# KiCad board GPDI_ULX3S_panel.kicad_pcb (continued)
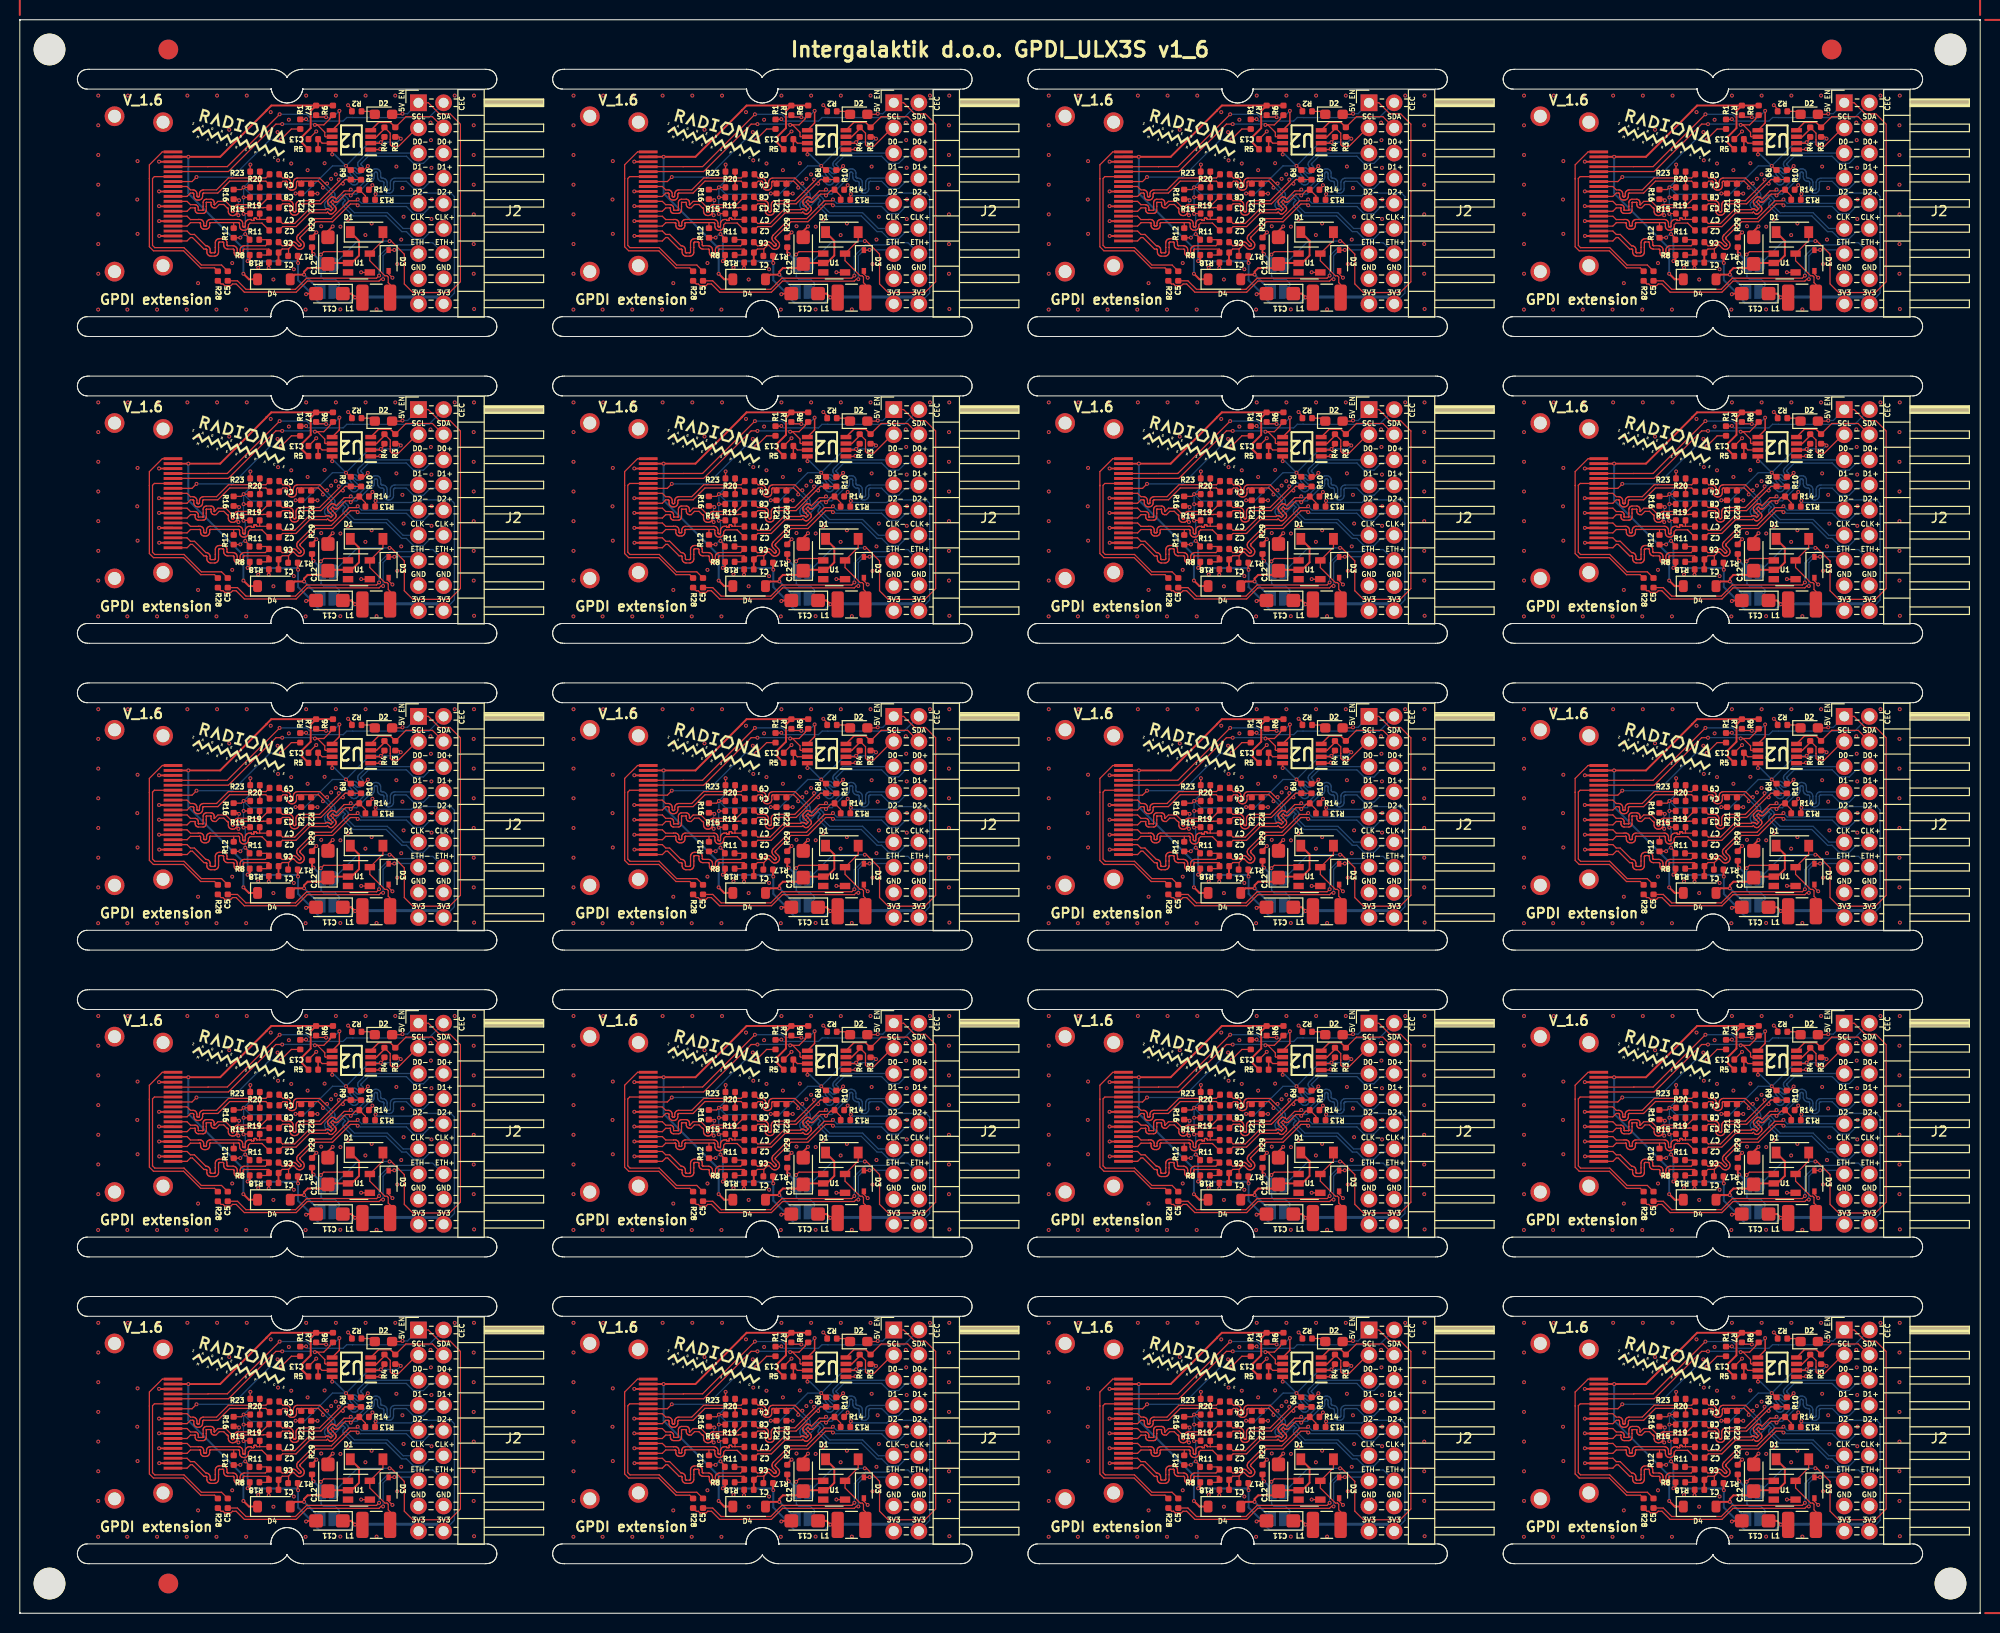
[diagram p0: board, top side]
## Routing (per net, layer and track width the routed paths; a pad name or vN(x,y) marks a point on that pad's centre or on a via; arc(x,y) is an arc through that point) (continued)
  Bottom w0.127: v1(71.29,146.37) 71.29,144.75 v1(70.6,144.07) ; v1(83.93,143.38) 84.08,143.23 87.57,143.23 87.83,143.5 91.54,143.5 91.89,143.14 91.89,133.38 J2#16.18 ; v1(70.27,138.99) 70.63,139.35 v1(70.77,139.35) 70.77,141.22 v1(70.59,141.39) 70.59,143.05 v1(70.6,143.06) v1(70.6,144.07) ; v1(86.47,148.99) 86.12,148.63 v1(84.47,148.63) 83.34,148.63 v1(80.94,146.24) 79.58,146.24 76.79,143.45 v1(75.85,143.45) 75.77,143.37 71.3,143.37 v1(70.6,144.07)
  Bottom w0.15: v1(79.55,147.4) 79.78,147.4 v1(80.94,146.24)
  Bottom w0.2: v1(81.86,132.95) 81.32,132.41 78.24,132.41 77.65,133 77.65,133.14 76.1,134.68 v1(76.1,136.43) 75.93,136.6 71.03,136.6 v1(71.01,136.62) 71.01,139.11 v1(70.77,139.35)
  Bottom w0.3: J2#16.18 90.11,132.99 81.9,132.99 v1(81.86,132.95)
Board_1-+5V: length 39.3
  Top w0.2: R6#4.1 R7#16.1 ; R7#16.1 77.38,151.79 77.38,150.06 76.53,149.2 76.53,148.55 R5#15.1 ; R7#16.1 73.4,152.34 72.92,151.85 72.92,151.83 68.24,147.15 v1(65.02,147.15) P1.18 ; D4#10.1 71.14,134.78 v1(70.58,135.34)
  Bottom w0.2: v1(65.02,147.15) 65.02,143.46 70.58,137.9 v1(70.58,135.34)
Board_1-/CEC: length 15.1
  Top w0.127: P1.13 65.39,144.65 v1(65.85,145.11) ; v1(74.37,148.91) 75.43,149.97 R1#20.1
  Bottom w0.127: v1(74.37,148.91) 73.28,148.91 69.47,145.11 v1(65.85,145.11)
Board_1-/CLK+: length 12.1
  Top w0.127: P1.10 64.89,143.15 65.24,143.5 65.45,143.5 65.48,143.49 65.51,143.48 65.53,143.47 65.55,143.45 65.56,143.43 65.57,143.4 65.57,143.38 65.57,143.19 65.58,143.1 65.61,143.02 65.66,142.94 65.73,142.87 65.8,142.82 65.89,142.79 65.98,142.78 66.05,142.78 66.14,142.79 66.23,142.82 66.31,142.87 66.37,142.94 66.42,143.02 66.45,143.1 66.46,143.19 66.46,143.38 66.47,143.4 66.48,143.43 66.49,143.45 66.51,143.47 66.53,143.48 66.55,143.49 66.58,143.5 68,143.5 69.2,144.7 72.85,144.7 C4#9.2
  Top w0.15: R20#8.2 72.24,144.66
Board_1-/CLK-: length 12.2
  Top w0.127: 72.26,145.02 72.85,145.02 C9#5.2 ; 72.26,145.02 72.24,145.03 R23#9.2 ; 72.26,145.02 69.07,145.02 67.87,143.81 66.56,143.81 66.46,143.8 66.38,143.77 66.3,143.72 66.23,143.66 66.19,143.58 66.16,143.49 66.14,143.4 66.14,143.22 66.14,143.19 66.13,143.17 66.12,143.15 66.1,143.13 66.08,143.11 66.05,143.1 66.03,143.1 66.01,143.1 65.98,143.1 65.96,143.11 65.93,143.13 65.92,143.15 65.9,143.17 65.89,143.19 65.89,143.22 65.89,143.4 65.88,143.49 65.85,143.58 65.8,143.66 65.74,143.72 65.66,143.77 65.57,143.8 65.48,143.81 65.24,143.81 64.89,144.15 P1.12
Board_1-/D0+: length 15.7
  Top w0.127: 69.86,141.38 69.95,141.38 v1(70.08,141.25) ; 69.86,141.38 69.79,141.31 69.71,141.26 69.62,141.23 69.53,141.22 69.48,141.22 69.38,141.23 69.3,141.26 69.22,141.31 69.15,141.38 69.1,141.46 69.07,141.55 69.06,141.64 69.06,141.88 69.05,141.91 69.04,141.93 69.03,141.96 69.01,141.98 68.99,141.99 68.96,142 68.93,142.01 68.6,142.34 68.14,142.34 67.8,142 67.65,142 67.58,142 67.5,142.03 67.44,142.07 67.39,142.12 67.35,142.19 67.32,142.26 67.31,142.33 67.31,142.51 67.31,142.52 67.31,142.53 67.3,142.54 67.3,142.54 67.29,142.55 67.28,142.55 67.27,142.55 66.87,142.55 66.86,142.55 66.85,142.55 66.85,142.54 66.84,142.54 66.84,142.53 66.83,142.52 66.83,142.51 66.83,142.15 66.83,141.78 66.82,141.7 66.8,141.63 66.76,141.57 66.7,141.51 66.64,141.47 66.57,141.45 66.49,141.44 66.05,141.44 65.97,141.45 65.9,141.47 65.84,141.51 65.79,141.57 65.75,141.63 65.72,141.7 65.71,141.78 65.71,141.96 65.71,141.97 65.71,141.97 65.7,141.98 65.7,141.99 65.69,141.99 65.68,141.99 65.67,142 65.24,142 64.89,141.65 P1.7 ; 69.86,141.38 69.91,141.46 69.94,141.55 69.95,141.64 69.95,141.88 69.95,141.91 69.96,141.93 69.98,141.96 70,141.98 70.02,141.99 70.05,142 70.08,142.01 70.15,142.01 70.18,142 70.2,141.99 70.23,141.98 70.25,141.96 70.26,141.93 70.27,141.91 70.28,141.88 70.28,141.87 70.28,141.84 70.29,141.82 70.3,141.79 70.32,141.77 70.35,141.76 70.37,141.75 70.4,141.75 70.43,141.75 70.46,141.76 70.48,141.77 70.5,141.79 70.52,141.82 70.53,141.84 70.53,141.87 70.53,141.88 70.53,141.91 70.54,141.93 70.56,141.96 70.58,141.98 70.6,141.99 70.63,142 70.66,142.01 72.57,142.01 72.59,142.03 C3#20.2 ; R16#3.2 70.03,142.88 v1(70.15,142.76)
  Bottom w0.127: v1(70.08,141.25) 70.08,142.7 v1(70.15,142.76)
Board_1-/D0-: length 14.1
  Top w0.127: 73.13,143.06 C8#6.2 72.39,142.33 70.05,142.33 69.96,142.31 69.87,142.28 69.79,142.23 69.72,142.17 69.67,142.09 69.64,142 69.63,141.91 69.63,141.67 69.63,141.64 69.62,141.61 69.6,141.59 69.58,141.57 69.56,141.55 69.53,141.54 69.5,141.54 69.48,141.54 69.45,141.55 69.42,141.57 69.4,141.59 69.39,141.61 69.38,141.64 69.38,141.67 69.38,141.91 69.37,142 69.33,142.09 69.28,142.17 68.8,142.65 68.01,142.65 67.67,142.31 67.66,142.32 67.65,142.32 67.65,142.32 67.64,142.33 67.64,142.34 67.63,142.34 67.63,142.35 67.63,142.53 67.62,142.61 67.6,142.68 67.56,142.74 67.51,142.8 67.44,142.84 67.37,142.86 67.29,142.87 66.85,142.87 66.78,142.86 66.7,142.84 66.64,142.8 66.59,142.74 66.55,142.68 66.52,142.61 66.51,142.53 66.51,142.15 66.51,142.15 66.51,141.8 66.51,141.79 66.51,141.78 66.5,141.77 66.5,141.77 66.49,141.76 66.48,141.76 66.47,141.76 66.07,141.76 66.06,141.76 66.05,141.76 66.05,141.77 66.04,141.77 66.03,141.78 66.03,141.79 66.03,141.8 66.03,141.98 66.02,142.05 66,142.12 65.96,142.19 65.9,142.24 65.84,142.28 65.77,142.31 65.69,142.31 65.24,142.31 64.89,142.65 P1.9
  Top w0.15: R19#10.2 72.22,142.34 72.2,142.33
Board_1-/D1+: length 12.6
  Top w0.127: P1.4 64.89,140.15 65.24,140.5 66.15,140.5 66.16,140.51 66.18,140.5 66.2,140.5 66.22,140.49 66.24,140.47 66.25,140.45 66.25,140.43 66.26,140.41 66.26,140.23 66.27,140.14 66.29,140.06 66.34,139.99 66.4,139.93 66.48,139.88 66.56,139.85 66.64,139.84 66.79,139.84 66.87,139.85 66.95,139.88 67.03,139.93 67.09,139.99 67.14,140.06 67.16,140.14 67.17,140.23 67.17,140.41 67.18,140.43 67.18,140.45 67.19,140.47 67.21,140.49 67.23,140.5 67.25,140.5 67.27,140.51 70.07,140.51 70.1,140.5 70.13,140.49 70.15,140.48 70.17,140.46 70.18,140.43 70.19,140.41 70.2,140.38 70.2,140.15 70.21,140.05 70.24,139.97 70.29,139.89 70.36,139.82 70.44,139.77 70.52,139.74 70.62,139.73 70.67,139.73 70.76,139.74 70.85,139.77 70.93,139.82 71,139.89 71.05,139.97 71.08,140.05 71.09,140.15 71.09,140.29 71.26,140.46 72.45,140.46 C2#9.2 ; R12#18.2 69.6,140.49
Board_1-/D1-: length 12.8
  Top w0.127: R15.2 72.23,140.83 ; 72.23,140.83 71.97,140.83 71.95,140.83 71.94,140.83 71.92,140.84 71.91,140.85 71.9,140.87 71.9,140.88 71.9,140.91 71.89,140.93 71.88,140.94 71.87,140.96 71.86,140.96 71.84,140.97 71.82,140.97 71.72,140.97 71.7,140.97 71.68,140.96 71.67,140.96 71.66,140.94 71.65,140.93 71.65,140.91 71.64,140.9 71.64,140.78 71.64,140.76 71.64,140.75 71.63,140.74 71.62,140.74 71.62,140.73 71.6,140.73 71.59,140.73 71.44,140.73 71.43,140.73 71.42,140.73 71.41,140.74 71.4,140.74 71.39,140.75 71.39,140.76 71.39,140.79 71.38,140.8 71.38,140.81 71.37,140.81 71.36,140.82 71.35,140.82 71.34,140.83 71.19,140.83 71.1,140.81 71.01,140.78 70.93,140.73 70.86,140.67 70.81,140.59 70.78,140.5 70.77,140.41 70.77,140.17 70.77,140.15 70.76,140.12 70.74,140.09 70.72,140.07 70.7,140.06 70.67,140.05 70.64,140.05 70.62,140.05 70.59,140.06 70.56,140.07 70.54,140.09 70.53,140.12 70.52,140.15 70.52,140.17 70.52,140.41 70.51,140.5 70.47,140.59 70.42,140.67 70.36,140.73 70.28,140.78 70.19,140.81 70.1,140.83 67.24,140.83 67.16,140.82 67.08,140.79 67,140.74 66.94,140.68 66.89,140.61 66.87,140.52 66.86,140.44 66.86,140.25 66.85,140.23 66.85,140.21 66.84,140.2 66.82,140.18 66.8,140.17 66.78,140.16 66.76,140.16 66.67,140.16 66.65,140.16 66.63,140.17 66.61,140.18 66.59,140.2 66.58,140.21 66.58,140.23 66.57,140.25 66.57,140.44 66.56,140.52 66.54,140.61 66.49,140.68 66.43,140.74 66.35,140.79 66.27,140.82 66.19,140.83 66.03,140.83 66.02,140.81 65.24,140.81 64.89,141.15 P1.6 ; 72.23,140.83 73.16,140.83 C7#19.2
Board_1-/D2+: length 15
  Top w0.127: P1.1 64.89,138.65 65.24,139 65.43,139 66.6,137.83 66.78,137.83 66.81,137.83 66.83,137.82 66.85,137.81 66.87,137.79 66.88,137.77 66.89,137.75 66.89,137.73 66.89,137.53 66.9,137.44 66.93,137.35 66.98,137.27 67.05,137.21 67.13,137.16 67.21,137.13 67.31,137.12 67.66,137.12 67.75,137.13 67.84,137.16 67.92,137.21 67.98,137.27 68.03,137.35 68.06,137.44 68.07,137.53 68.07,138 68.07,138 68.07,138.44 68.08,138.47 68.09,138.49 68.1,138.51 68.12,138.53 68.14,138.54 68.16,138.55 68.18,138.55 68.48,138.55 68.51,138.55 68.53,138.54 68.55,138.53 68.57,138.51 68.58,138.49 68.59,138.47 68.59,138.44 68.59,138.25 68.6,138.16 68.63,138.07 68.68,137.99 68.75,137.92 68.83,137.88 68.91,137.84 69.01,137.83 69.56,137.83 69.59,137.82 69.61,137.79 69.63,137.77 69.64,137.74 69.64,137.71 69.64,137.5 69.66,137.4 69.69,137.31 69.74,137.23 69.81,137.16 69.89,137.1 69.98,137.07 70.08,137.06 70.13,137.06 70.23,137.07 70.32,137.1 70.4,137.16 70.47,137.23 70.52,137.31 70.56,137.4 70.57,137.5 70.57,137.71 70.57,137.74 70.58,137.77 70.6,137.79 70.62,137.82 70.65,137.83 73.14,137.83 73.17,137.8 C1#6.2 72.92,137.23 R8#2.2
Board_1-/D2-: length 14.8
  Top w0.127: P1.3 64.89,139.65 65.24,139.31 65.64,139.31 66.78,138.17 66.81,138.17 66.9,138.16 66.99,138.13 67.07,138.08 67.13,138.01 67.18,137.93 67.21,137.84 67.22,137.75 67.22,137.56 67.23,137.54 67.23,137.51 67.25,137.49 67.26,137.48 67.28,137.46 67.31,137.45 67.33,137.45 67.63,137.45 67.66,137.45 67.68,137.46 67.7,137.48 67.72,137.49 67.73,137.51 67.74,137.54 67.74,137.56 67.74,138 67.74,138.47 67.75,138.56 67.78,138.65 67.83,138.73 67.9,138.79 67.98,138.84 68.06,138.87 68.16,138.88 68.51,138.88 68.6,138.87 68.69,138.84 68.77,138.79 68.83,138.73 68.88,138.65 68.91,138.56 68.92,138.47 68.92,138.27 68.93,138.25 68.94,138.23 68.95,138.21 68.97,138.19 68.99,138.18 69.01,138.17 69.03,138.17 69.53,138.17 69.63,138.16 69.72,138.12 69.8,138.07 69.87,138 69.92,137.92 69.95,137.83 69.96,137.73 69.96,137.52 69.97,137.49 69.98,137.46 69.99,137.43 70.02,137.41 70.04,137.39 70.07,137.38 70.11,137.38 70.14,137.38 70.17,137.39 70.19,137.41 70.22,137.43 70.23,137.46 70.24,137.49 70.25,137.52 70.25,137.73 70.26,137.83 70.29,137.92 70.34,138 70.41,138.07 70.49,138.12 70.59,138.16 70.68,138.17 72.8,138.17 C6#4.2 72.91,138.78 R11#9.2
Board_1-/ETH+: length 17.6
  Top w0.127: C5#8.2 68.38,136.22 66.34,136.22 64.58,137.98 61.63,137.98 61.4,138.2 61.4,144.97 61.59,145.15 P1.14
Board_1-/ETH-: length 19.2
  Top w0.127: 61.09,144.93 61.09,146.35 62.39,147.65 P1.19 ; 61.09,144.93 61.09,138.07 61.5,137.66 64.54,137.66 66.27,135.93 67.67,135.93 R28#3.1 ; 61.09,144.93 61.09,144.97
Board_1-GND: length 17.5
  Top w0.127: R22#5.2 78.07,143.44 v1(78.07,143.44) ; v1(82.47,135.49) 82.49,135.47 U1#4.4 ; v1(85.63,134.94) 85.25,135.32 D3#19.2 ; v1(83.15,146.22) 82.75,145.82 R10#8.2 ; R2#7.2 81.54,151.98 v1(81.15,152.37) ; R14#3.2 83.61,144.19 v1(83.61,144.29) ; C13#3.2 77.94,149.72 v1(77.94,149.72)
  Top w0.15: v1(84.4,147.94) 84.35,147.88 U2#18.1
  Top w0.2: v1(62.06,143.66) 62.07,143.65 P1.11 ; C11#14.2 76.97,133.33 v1(76.91,133.27) ; v1(62.06,146.67) 62.07,146.65 P1.17 ; v1(62.07,140.66) 62.08,140.65 P1.5 ; v1(73.14,135.93) 73.16,135.94 R18#18.2 ; v1(79.6,140.12) 79.12,139.64 C12#16.2 ; v1(62.06,142.18) 62.08,142.15 P1.8 ; v1(62.08,139.16) 62.08,139.15 P1.2 ; R29#5.2 77.51,139.08 v1(77.95,139.52)
  In1.Cu w0.5: 88.38,134.72 J2#16.15
  vias: v1(55.92,153.34) v1(55.92,150.34) v1(55.92,147.34) v1(55.92,144.34) v1(55.92,141.34) v1(55.92,138.34) v1(55.92,135.34) v1(55.91,131.72) v1(58.92,153.34) v1(58.86,131.72) v1(59.89,146.72) v1(59.86,142.84) v1(59.89,139.37) v1(61.92,153.34) v1(61.86,131.72) v1(64.92,153.34) v1(64.86,131.72) v1(66.02,149.97) v1(66,134.39) v1(67.92,153.34) v1(67.86,131.72) v1(69.15,149.89) v1(69.45,136.42) v1(70.92,153.34) v1(70.86,131.72) v1(72.08,135.94) v1(73.34,151.67) v1(73.61,134.76) v1(74.03,149.65) v1(74.08,146.8) v1(75.17,150.9) v1(75.41,146.48) v1(75.68,135.79) v1(76.92,153.34) v1(76.86,131.72) v1(77.07,145.81) v1(78.44,140.14) v1(78.78,146.51) v1(79.44,144.93) v1(79.92,153.34) v1(79.91,145.38) v1(80.38,140.1) v1(80.37,131.74) v1(81.14,140.81) v1(82.92,153.34) v1(82.9,139.25) v1(83.53,140.42) v1(84.03,131.74) v1(85.92,153.34) v1(86.03,146.17) v1(86.12,136.32) v1(86.52,138.79) v1(86.64,144) v1(86.76,141.1) v1(89.48,150.61) v1(89.52,148.84) v1(89.57,146.05) v1(89.6,142.85) v1(89.58,140.87) v1(91.92,153.34) v1(93.84,150.34) v1(93.84,147.34) v1(93.84,144.34) v1(93.84,141.34) v1(93.84,138.34) v1(93.84,135.34) v1(93.87,153.34) v1(93.88,131.78)
Board_1-GPDI_CEC: length 15.3
  Top w0.127: R1#20.2 76.89,150.94 v1(76.91,150.96)
  Bottom w0.127: J2#16.2 89.31,151.12 81.61,151.12 81.6,151.13 81.02,151.13 80.66,150.77 77.1,150.77 v1(76.91,150.96)
Board_1-GPDI_CLK+: length 24.8
  Top w0.127: 76.45,144.69 76.09,144.69 76.06,144.69 76.03,144.68 76,144.66 75.98,144.64 75.96,144.61 75.95,144.58 75.95,144.55 75.95,144.22 75.94,144.12 75.9,144.03 75.85,143.95 75.78,143.88 75.7,143.83 75.61,143.8 75.51,143.79 75.46,143.79 75.36,143.8 75.27,143.83 75.19,143.88 75.12,143.95 75.07,144.03 75.04,144.12 75.03,144.22 75.03,144.55 75.02,144.58 75.01,144.61 75,144.64 74.97,144.66 74.95,144.68 74.92,144.69 74.89,144.69 74.57,144.69 C4#9.1 ; 76.45,144.69 77.43,144.69 ; 76.45,144.69 76.42,144.67 R21#7.2 ; 77.43,144.69 78.16,144.69 78.62,144.23 v1(78.62,144.04) ; 77.43,144.69 R22#5.1
  Bottom w0.127: v1(78.62,144.04) 78.81,144.04 79.46,143.39 79.48,143.36 79.5,143.33 79.5,143.29 79.5,143.26 79.5,143.22 79.48,143.19 79.46,143.16 78.91,142.61 78.85,142.53 78.8,142.44 78.78,142.34 78.78,142.24 78.8,142.14 78.85,142.05 78.91,141.97 78.95,141.93 79.03,141.86 79.12,141.82 79.22,141.8 79.32,141.8 79.42,141.82 79.51,141.86 79.59,141.93 80.62,142.95 80.63,142.96 80.63,142.96 80.64,142.96 80.65,142.96 80.65,142.96 80.66,142.96 80.67,142.95 80.85,142.77 80.86,142.76 80.86,142.75 80.86,142.75 80.86,142.74 80.86,142.73 80.86,142.72 80.85,142.72 80.73,142.59 80.68,142.53 80.65,142.47 80.63,142.39 80.63,142.32 80.65,142.25 80.68,142.18 80.73,142.12 81.66,141.19 84.99,141.19 86.58,139.6 87.04,139.6 87.76,138.87 88.76,138.87 89.48,139.6 90.48,139.6 J2#16.12
Board_1-GPDI_CLK-: length 21
  Top w0.127: C9#5.1 74.57,145.01 74.91,145.01 75.01,145 75.1,144.97 75.18,144.92 75.25,144.85 75.3,144.77 75.34,144.68 75.35,144.58 75.35,144.25 75.35,144.21 75.36,144.18 75.38,144.16 75.4,144.14 75.43,144.12 75.46,144.11 75.49,144.1 75.52,144.11 75.55,144.12 75.57,144.14 75.6,144.16 75.61,144.18 75.62,144.21 75.63,144.25 75.63,144.58 75.64,144.68 75.67,144.77 75.72,144.85 75.79,144.92 75.87,144.97 75.96,145 76.06,145.01 78.29,145.01 78.84,144.46 v1(79.03,144.46)
  Bottom w0.127: J2#16.11 86.71,139.91 85.12,141.51 81.79,141.51 80.97,142.33 80.96,142.34 80.96,142.35 80.96,142.35 80.96,142.36 80.96,142.37 80.96,142.37 80.97,142.38 81.09,142.51 81.14,142.57 81.17,142.63 81.19,142.71 81.19,142.78 81.17,142.85 81.14,142.92 81.09,142.98 80.88,143.19 80.82,143.24 80.75,143.27 80.68,143.29 80.61,143.29 80.53,143.27 80.47,143.24 80.41,143.19 79.39,142.17 79.36,142.15 79.33,142.13 79.29,142.13 79.25,142.13 79.22,142.13 79.18,142.15 79.15,142.17 79.13,142.2 79.12,142.24 79.11,142.27 79.11,142.31 79.12,142.34 79.13,142.38 79.15,142.41 79.7,142.95 79.76,143.03 79.81,143.13 79.83,143.23 79.83,143.33 79.81,143.43 79.76,143.52 79.7,143.6 79.03,144.27 v1(79.03,144.46)
Board_1-GPDI_D0+: length 26.3
  Top w0.127: R10#8.1 82.46,144.85 R9#20.2 80.86,144.85 80.63,144.63 v1(80.63,144.44) 80.44,144.44 78.4,142.4 76.35,142.4 76.32,142.4 76.29,142.39 76.26,142.37 76.24,142.35 76.23,142.32 76.22,142.29 76.21,142.26 76.21,141.69 76.2,141.59 76.17,141.5 76.12,141.42 76.05,141.35 75.97,141.3 75.88,141.27 75.78,141.26 75.73,141.26 75.63,141.27 75.54,141.3 75.46,141.35 75.39,141.42 75.34,141.5 75.3,141.59 75.29,141.69 75.29,142.26 75.29,142.29 75.28,142.32 75.26,142.35 75.24,142.37 75.21,142.39 75.18,142.4 75.15,142.4 74.53,142.4 C3#20.1
  Bottom w0.127: v1(80.63,144.44) 80.63,144.63 80.85,144.85 80.87,144.87 80.9,144.88 80.93,144.89 80.96,144.89 80.99,144.88 81.02,144.87 81.05,144.85 81.46,144.43 81.54,144.37 81.62,144.33 81.72,144.31 81.82,144.31 81.91,144.33 82,144.37 82.07,144.43 82.11,144.47 82.17,144.55 82.21,144.63 82.24,144.73 82.24,144.83 82.21,144.92 82.17,145.01 82.11,145.08 81.7,145.5 81.68,145.52 81.66,145.55 81.66,145.58 81.66,145.61 81.66,145.64 81.68,145.67 81.7,145.7 81.71,145.71 81.73,145.72 81.75,145.72 81.77,145.72 81.79,145.72 81.81,145.71 81.83,145.7 81.95,145.57 82.02,145.51 82.1,145.48 82.18,145.46 82.27,145.46 82.35,145.48 82.43,145.51 82.5,145.57 82.6,145.67 82.66,145.74 82.7,145.82 82.72,145.9 82.72,145.99 82.7,146.07 82.66,146.15 82.6,146.22 82.47,146.35 82.46,146.36 82.45,146.38 82.45,146.4 82.45,146.42 82.45,146.44 82.46,146.46 82.47,146.47 83.22,147.22 87.04,147.22 87.76,146.49 88.76,146.49 89.48,147.22 90.48,147.22 J2#16.6
Board_1-GPDI_D0-: length 20.9
  Top w0.127: v1(80.22,144.86) 80.22,144.67 78.27,142.72 76.33,142.72 76.23,142.71 76.14,142.68 76.06,142.63 75.99,142.56 75.94,142.48 75.9,142.39 75.89,142.29 75.89,141.72 75.89,141.69 75.88,141.66 75.86,141.63 75.84,141.61 75.81,141.59 75.78,141.58 75.75,141.58 75.72,141.58 75.69,141.59 75.66,141.61 75.64,141.63 75.63,141.66 75.62,141.69 75.61,141.72 75.61,142.29 75.6,142.39 75.57,142.48 75.52,142.56 75.45,142.63 75.37,142.68 75.28,142.71 75.18,142.72 74.53,142.72 C8#6.1
  Bottom w0.127: v1(80.22,144.86) 80.41,144.86 80.64,145.09 80.72,145.15 80.8,145.19 80.9,145.22 81,145.22 81.09,145.19 81.18,145.15 81.25,145.09 81.67,144.68 81.69,144.66 81.72,144.64 81.75,144.64 81.78,144.64 81.81,144.64 81.84,144.66 81.87,144.68 81.89,144.7 81.9,144.73 81.91,144.76 81.91,144.79 81.9,144.82 81.89,144.85 81.87,144.88 81.45,145.29 81.39,145.37 81.35,145.45 81.33,145.55 81.33,145.65 81.35,145.74 81.39,145.83 81.45,145.9 81.49,145.94 81.56,145.99 81.63,146.03 81.72,146.05 81.8,146.05 81.89,146.03 81.97,145.99 82.03,145.94 82.16,145.81 82.18,145.8 82.2,145.79 82.22,145.78 82.24,145.78 82.26,145.79 82.28,145.8 82.29,145.81 82.36,145.88 82.37,145.9 82.38,145.91 82.39,145.93 82.39,145.95 82.38,145.97 82.37,145.99 82.36,146.01 82.23,146.14 82.18,146.21 82.14,146.28 82.12,146.37 82.12,146.45 82.14,146.54 82.18,146.62 82.23,146.68 83.08,147.53 J2#16.5
Board_1-GPDI_D1+: length 26.6
  Top w0.127: C2#9.1 74.54,140.1 75.9,140.1 77.29,141.49 78.99,141.49 79.08,141.58 79.21,141.46 79.26,141.42 79.32,141.39 79.39,141.37 79.46,141.37 79.52,141.39 79.58,141.42 79.63,141.46 79.86,141.68 79.9,141.74 79.93,141.8 79.95,141.86 79.95,141.93 79.93,141.99 79.9,142.06 79.86,142.11 79.62,142.35 79.63,142.36 79.41,142.58 79.61,142.78 79.73,142.66 79.79,142.61 79.85,142.59 79.91,142.57 79.98,142.57 80.04,142.59 80.1,142.61 80.16,142.66 80.89,143.39 81.29,143.39 v1(81.42,143.25) 81.91,143.74 82.19,143.74 R14#3.1 82.91,143.21 R13#9.2
  Bottom w0.127: J2#16.8 90.48,144.68 89.48,144.68 88.76,143.95 87.76,143.95 87.04,144.68 85.91,144.68 85.87,144.67 85.84,144.66 85.81,144.64 85.78,144.61 85.76,144.58 85.75,144.55 85.75,144.51 85.75,143.94 85.73,143.84 85.7,143.74 85.65,143.65 85.57,143.58 85.49,143.53 85.39,143.49 85.29,143.48 85.23,143.48 85.13,143.49 85.03,143.53 84.95,143.58 84.88,143.65 84.82,143.74 84.79,143.84 84.78,143.94 84.78,144.51 84.77,144.55 84.76,144.58 84.74,144.61 84.71,144.64 84.68,144.66 84.65,144.67 84.61,144.68 84.58,144.68 84.48,144.69 84.38,144.72 84.3,144.78 84.23,144.85 84.17,144.93 84.14,145.03 84.13,145.13 84.13,145.45 84.12,145.49 84.11,145.53 84.09,145.56 84.06,145.58 84.03,145.6 84,145.62 83.96,145.62 83.92,145.62 83.89,145.6 83.86,145.58 83.83,145.56 83.81,145.53 83.8,145.49 83.8,145.45 83.8,145.13 83.78,145.03 83.75,144.93 83.7,144.85 83.62,144.78 83.54,144.72 83.44,144.69 83.34,144.68 83.31,144.68 82.03,143.39 81.56,143.39 v1(81.42,143.25)
Board_1-GPDI_D1-: length 21
  Top w0.127: v1(81.42,143.85) 81.29,143.71 80.76,143.71 79.94,142.89 79.82,143.02 79.77,143.06 79.71,143.09 79.64,143.11 79.57,143.11 79.51,143.09 79.45,143.06 79.39,143.02 79.17,142.79 79.13,142.74 79.1,142.68 79.08,142.62 79.08,142.55 79.1,142.48 79.13,142.42 79.17,142.37 79.41,142.13 79.4,142.12 79.62,141.9 79.42,141.7 79.3,141.82 79.24,141.86 79.18,141.89 79.12,141.91 79.05,141.91 78.98,141.89 78.92,141.86 78.87,141.82 78.86,141.81 77.16,141.81 75.77,140.42 74.54,140.42 C7#19.1
  Bottom w0.127: J2#16.7 85.88,145 85.78,144.98 85.68,144.95 85.6,144.9 85.53,144.82 85.47,144.74 85.44,144.64 85.43,144.54 85.43,143.97 85.42,143.93 85.41,143.89 85.39,143.86 85.36,143.84 85.33,143.82 85.3,143.8 85.26,143.8 85.22,143.8 85.19,143.82 85.16,143.84 85.13,143.86 85.11,143.89 85.1,143.93 85.1,143.97 85.1,144.54 85.08,144.64 85.05,144.74 85,144.82 84.92,144.9 84.84,144.95 84.74,144.98 84.64,145 84.61,145 84.57,145 84.54,145.01 84.51,145.03 84.48,145.06 84.46,145.09 84.45,145.12 84.45,145.16 84.45,145.48 84.43,145.58 84.4,145.68 84.35,145.77 84.27,145.84 84.19,145.89 84.09,145.93 83.99,145.94 83.93,145.94 83.83,145.93 83.73,145.89 83.65,145.84 83.58,145.77 83.52,145.68 83.49,145.58 83.48,145.48 83.48,145.16 83.47,145.12 83.46,145.09 83.44,145.06 83.41,145.03 83.38,145.01 83.35,145 83.31,145 83.18,145 81.89,143.71 81.56,143.71 v1(81.42,143.85)
Board_1-GPDI_D2+: length 22.7
  Top w0.127: 75.14,137.84 75.14,137.19 R17#12.2 ; 75.14,137.84 74.5,137.84 C1#6.1 ; 75.14,137.84 75.49,138.19 75.51,138.21 75.54,138.22 75.57,138.23 75.6,138.23 75.63,138.22 75.66,138.21 75.69,138.19 75.96,137.92 76.03,137.86 76.12,137.82 76.21,137.79 76.31,137.79 76.4,137.82 76.49,137.86 76.57,137.92 76.6,137.96 76.67,138.03 76.71,138.12 76.73,138.21 76.73,138.31 76.71,138.41 76.67,138.49 76.6,138.57 76.34,138.84 76.32,138.86 76.3,138.89 76.3,138.92 76.3,138.95 76.3,138.98 76.32,139.01 76.34,139.04 77.89,140.59 79.59,140.59 81.39,142.39 81.99,142.39 v1(82.12,142.25)
  Top w0.2: C1#6.1 74.13,137.47 R18#18.1
  Bottom w0.127: v1(82.12,142.25) 82.27,142.25 82.38,142.14 87.04,142.14 87.76,141.41 88.76,141.41 89.48,142.14 90.48,142.14 J2#16.10
Board_1-GPDI_D2-: length 17.8
  Top w0.127: C6#4.1 74.5,138.16 75.01,138.16 75.28,138.43 75.36,138.49 75.44,138.53 75.54,138.56 75.64,138.56 75.73,138.53 75.82,138.49 75.89,138.43 76.16,138.16 76.19,138.14 76.21,138.13 76.25,138.12 76.28,138.12 76.31,138.13 76.34,138.14 76.36,138.16 76.38,138.19 76.39,138.22 76.4,138.25 76.4,138.28 76.39,138.31 76.38,138.34 76.36,138.36 76.09,138.63 76.03,138.71 75.99,138.79 75.97,138.89 75.97,138.98 75.99,139.08 76.03,139.17 76.09,139.24 77.76,140.91 79.46,140.91 81.26,142.71 81.99,142.71 v1(82.12,142.85)
  Bottom w0.127: v1(82.12,142.85) 82.52,142.45 J2#16.9
Board_1-GPDI_ETH+: length 25.7
  Top w0.127: v1(84.29,135.15) 84.03,134.89 76.97,134.89 75.84,133.77 70.84,133.77 69.98,134.62 C5#8.1
  Bottom w0.127: J2#16.14 89.71,138.47 87.87,138.47 87.65,138.25 85.41,138.25 84.29,137.13 v1(84.29,135.15)
Board_1-GPDI_ETH-: length 24.8
  Top w0.127: D3#19.1 85.8,137.72 v1(85.82,137.75) ; v1(84.69,134.79) 84.48,134.79 84.29,134.6 77.03,134.6 75.91,133.48 70.68,133.48 69.85,134.31 69.48,134.31 69.31,134.14 68.69,134.14 68.52,134.31 68.32,134.31 R28#3.2
  Bottom w0.127: v1(84.69,134.79) 84.69,134.79 84.69,137.16 85.27,137.75 v1(85.82,137.75) 87.89,137.75 J2#16.13
Board_1-GPDI_SCL: length 21.1
  Top w0.127: U2#18.6 78.87,149.18 78.8,149.25 78.8,149.63 78.05,150.38 v1(77.8,150.38) 78.7,150.38 79.32,151 79.32,151.06 R6#4.2 ; P1.15 63.48,145.67 69.07,145.67 73.86,150.46 v1(74.5,150.46)
  Bottom w0.127: v1(74.5,150.46) 74.51,150.47 77.71,150.47 v1(77.8,150.38)
Board_1-GPDI_SDA: length 22.8
  Top w0.127: R7#16.2 78.11,151.18 78.91,151.18 v1(78.93,151.16) ; P1.16 67.01,146.15 67.02,146.17 68.96,146.17 v1(74.24,151.45)
  Top w0.15: U2#18.5 80.28,150.57 v1(80.28,151.8)
  Bottom w0.127: v1(80.28,151.8) 79.58,151.1 78.99,151.1 v1(78.93,151.16) 78.92,151.17 77.25,151.17 76.97,151.45 v1(74.24,151.45)
Board_1-Net-(D1-A): length 8.1
  Top w0.127: D1#13.2 84.67,138.7 U1#4.5 83.35,136.66 84.87,135.13 85.08,135.13 85.21,135.01 85.21,134.44 85.4,134.25 L1#15.2
Board_1-Net-(D1-K): length 13.2
  Top w0.2: D1#13.1 82.26,138.66 82.26,137.18 81.51,136.43 U1#4.2 79.22,136.43 C12#16.1 78.7,135.91 77.07,135.91 76.71,135.55 v1(76.71,135.25) 75.78,135.25 D4#10.2
  Bottom w0.2: v1(76.71,135.25) 78.37,133.59 JP2#6.1
Board_1-Net-(D2-K): length 1.5
  Top w0.127: R2#7.1 83.55,151.75 D2#16.1
Board_1-Net-(U2-VREF2): length 2.6
  Top w0.127: C13#3.1 78.53,148.53 U2#18.7
  Top w0.15: R5#15.2 C13#3.1
Board_1-PMOD_SCL: length 8.1
  Top w0.127: 87.88,149.69 J2#16.3 88.11,150.07 86.25,148.21 85.59,148.21 85.41,148.38 85.41,148.88 85.41,148.88 85.41,149.55 R4#20.2
  Top w0.15: R4#20.2 84.82,149.98 84.03,149.18 U2#18.3
Board_1-PMOD_SDA: length 8.8
  Top w0.127: J2#16.4 89.67,151.21 87,151.21 R3#13.2
  Top w0.15: R3#13.2 85.43,150.63 84.24,150.63 U2#18.4
Board_2-5V_ENABLE: length 54.8
  Top w0.127: v1(134.65,151.51) 134.59,151.45 D2#10.2 ; 135.8,152.15 J2#19.1 137.26,152.62 138.39,151.49 139.46,151.49 140.5,150.45 140.5,134.53 139.41,133.44 135.7,133.44 134.83,134.31 134.83,137.32 133.51,138.64 v1(133.34,138.64) ; U1#6.1 128.95,137.57 126.7,137.57 v1(126.41,137.28)
  Top w0.2: R29#4.1 125.51,137.48 v1(125.66,137.33)
  Bottom w0.127: JP2#15.2 128.26,134.13 128.26,134.39 127.86,134.79 126.68,134.79 126.44,135.03 126.43,135.03 126.43,136.25 JP1#6.2 126.42,137 126.41,137.01 v1(126.41,137.28) ; J2#19.1 135.16,151.51 v1(134.65,151.51) ; v1(133.34,138.64) 130.12,138.64 JP1#6.1
  Bottom w0.2: JP1#6.2 126.42,136.57 v1(125.66,137.33)
  Bottom w0.5: JP1#6.2 JP1#6.1
